# Altium PCB верхняя плата версия 6(с моделями).PcbDoc (part 1 of 2)
Units mm, origin at the board's own origin, x right, y up, seen from the top; angles counter-clockwise.
Board outline 53 x 45 mm, 4 copper layers (Top Layer, Layer 1, Layer 2, Bottom Layer), stack 1.083 mm thick; 122 components, 141 nets, 822 pads, 331 vias.
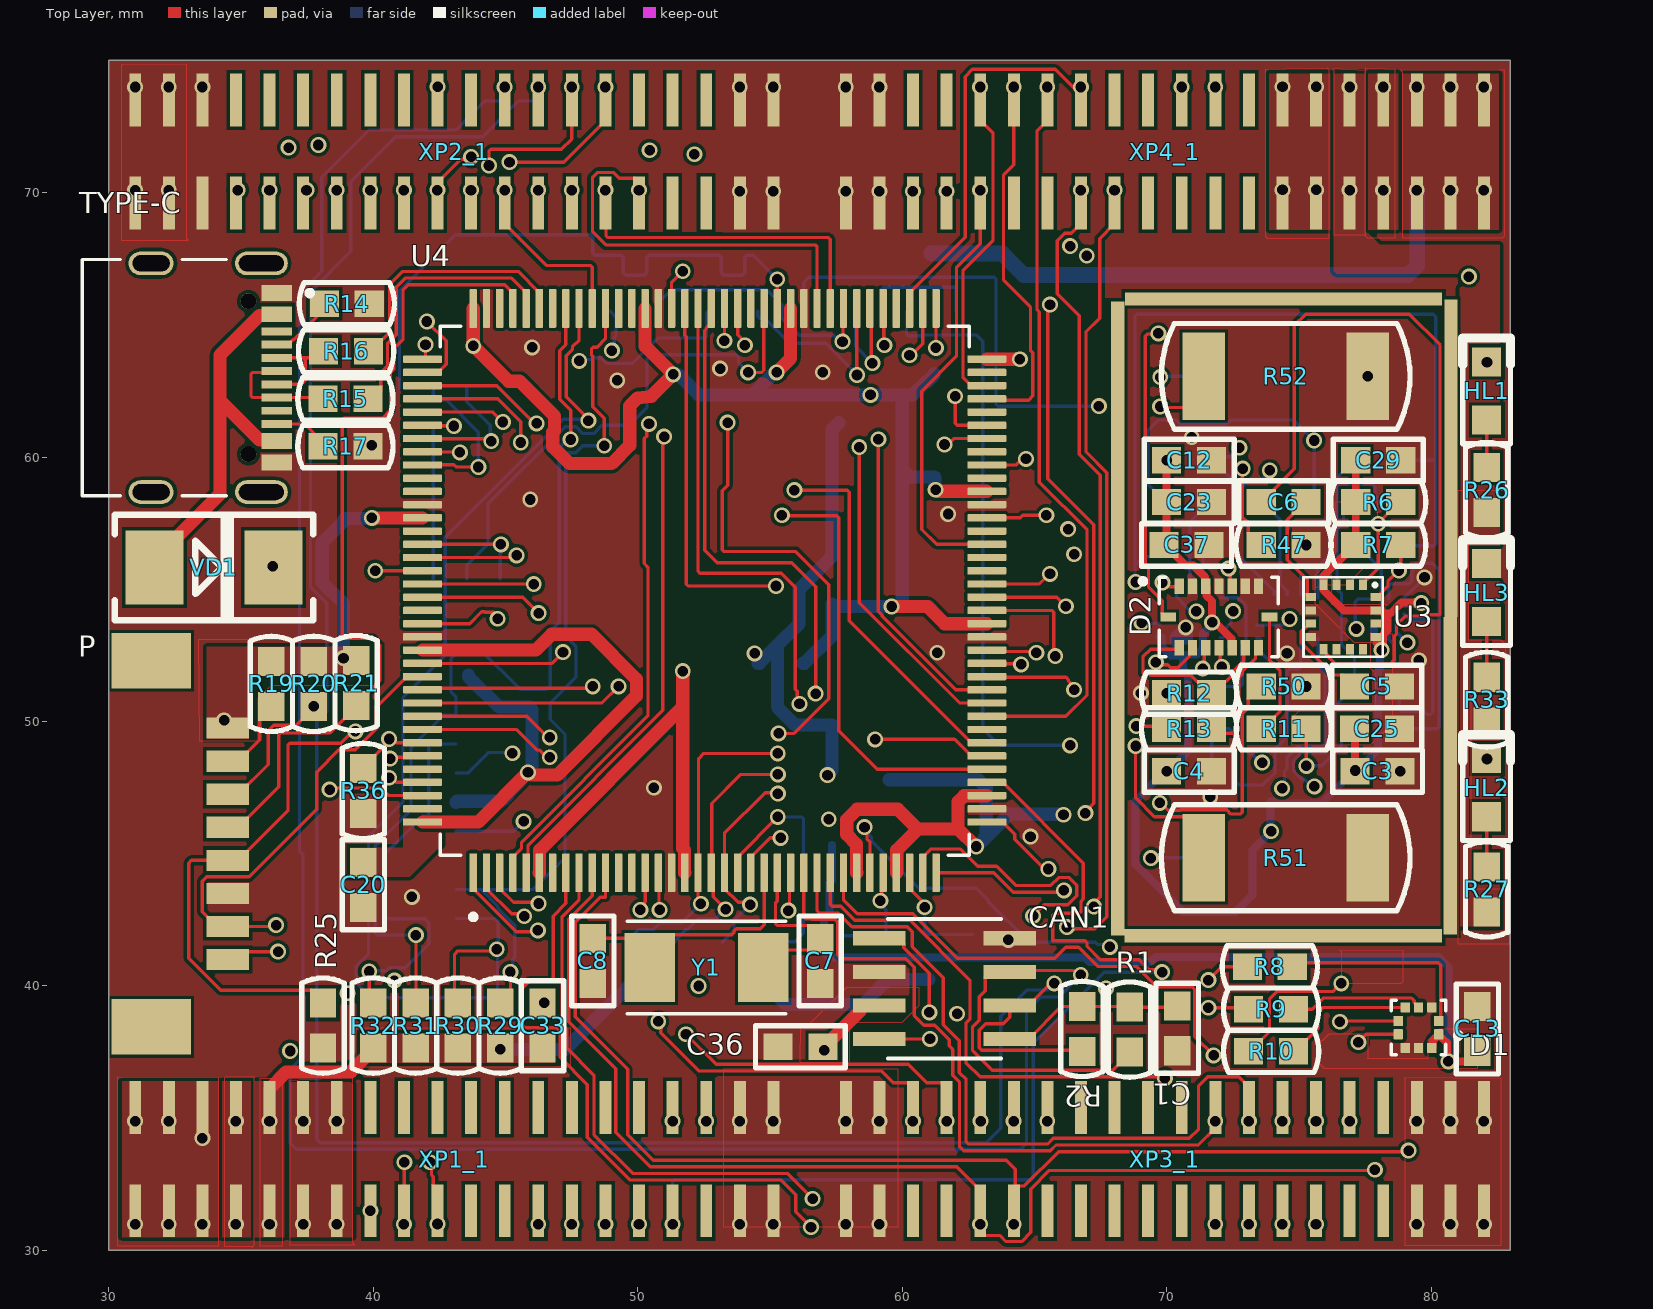
[diagram p0: Top Layer view]
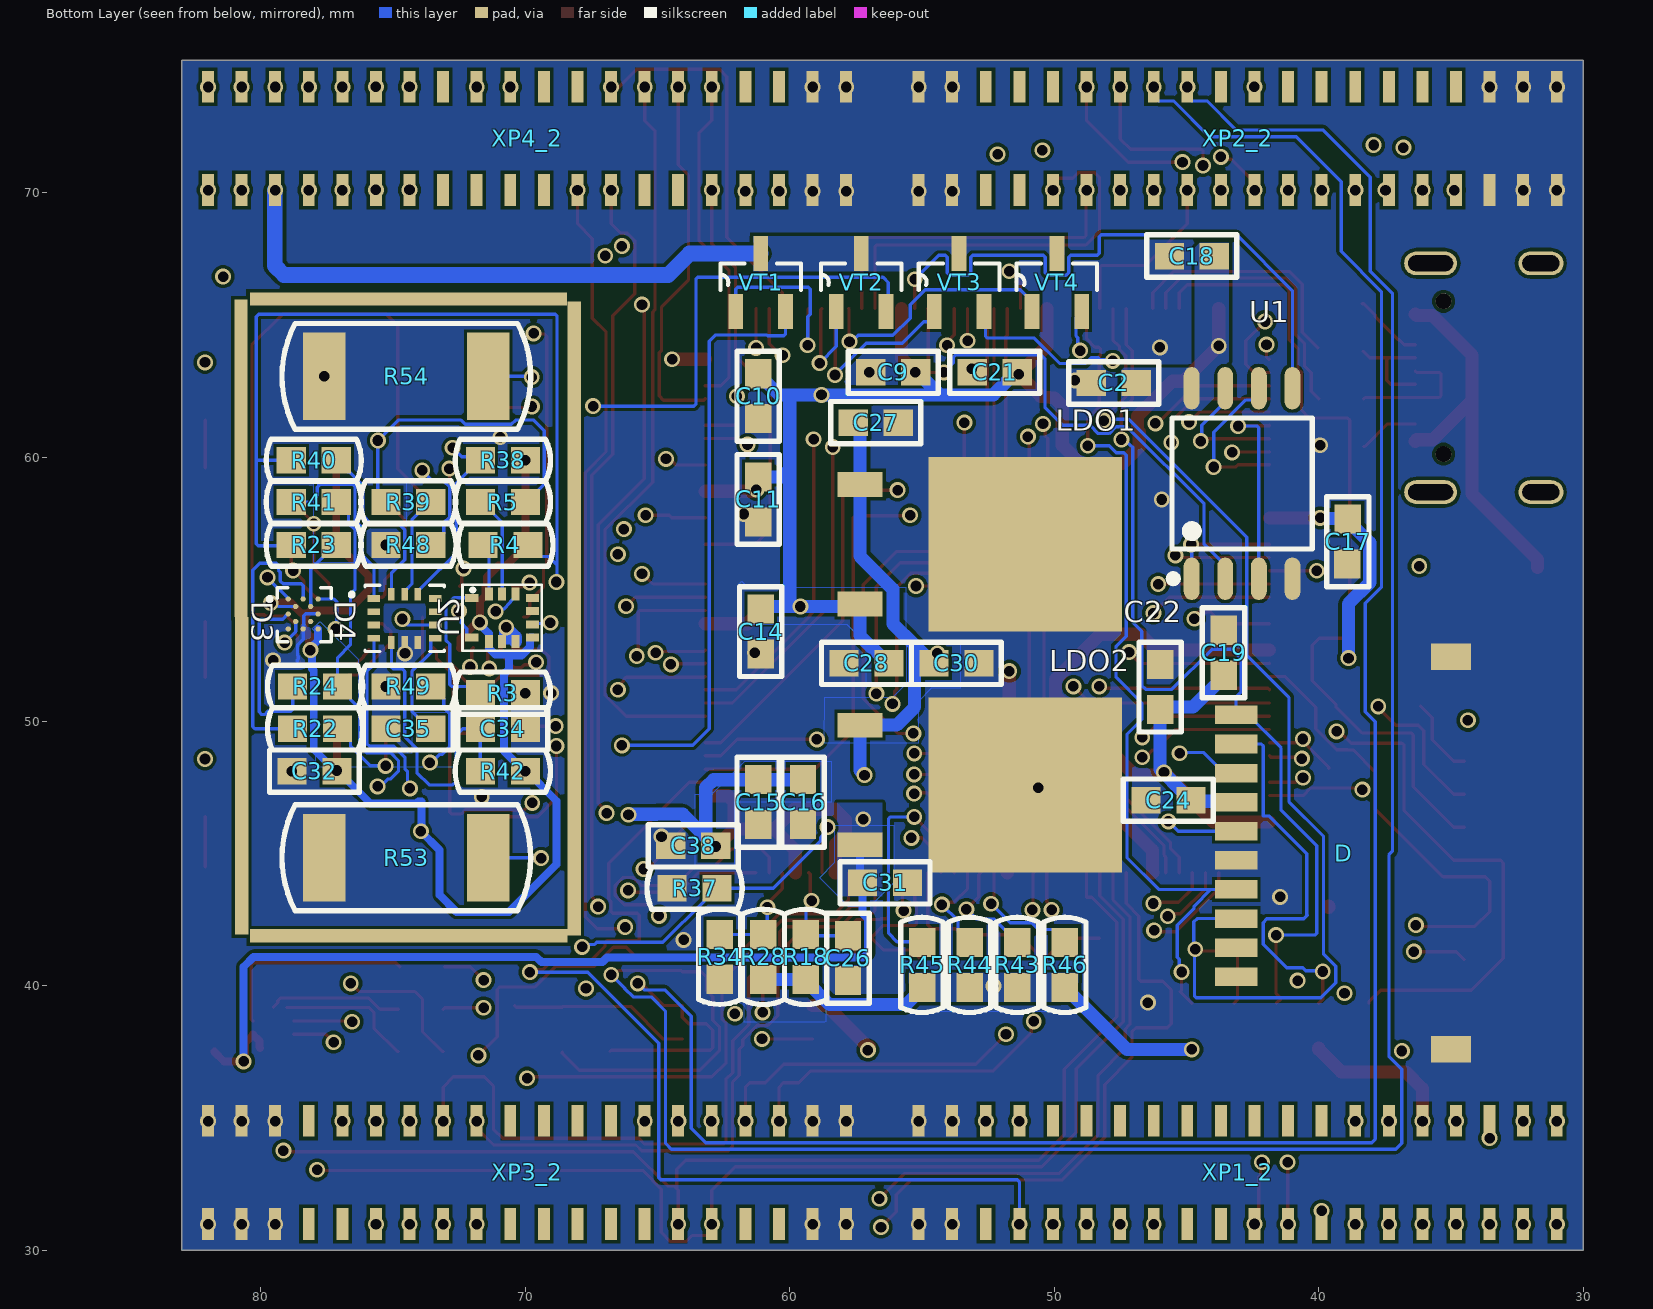
[diagram p1: Bottom Layer view, seen from below]
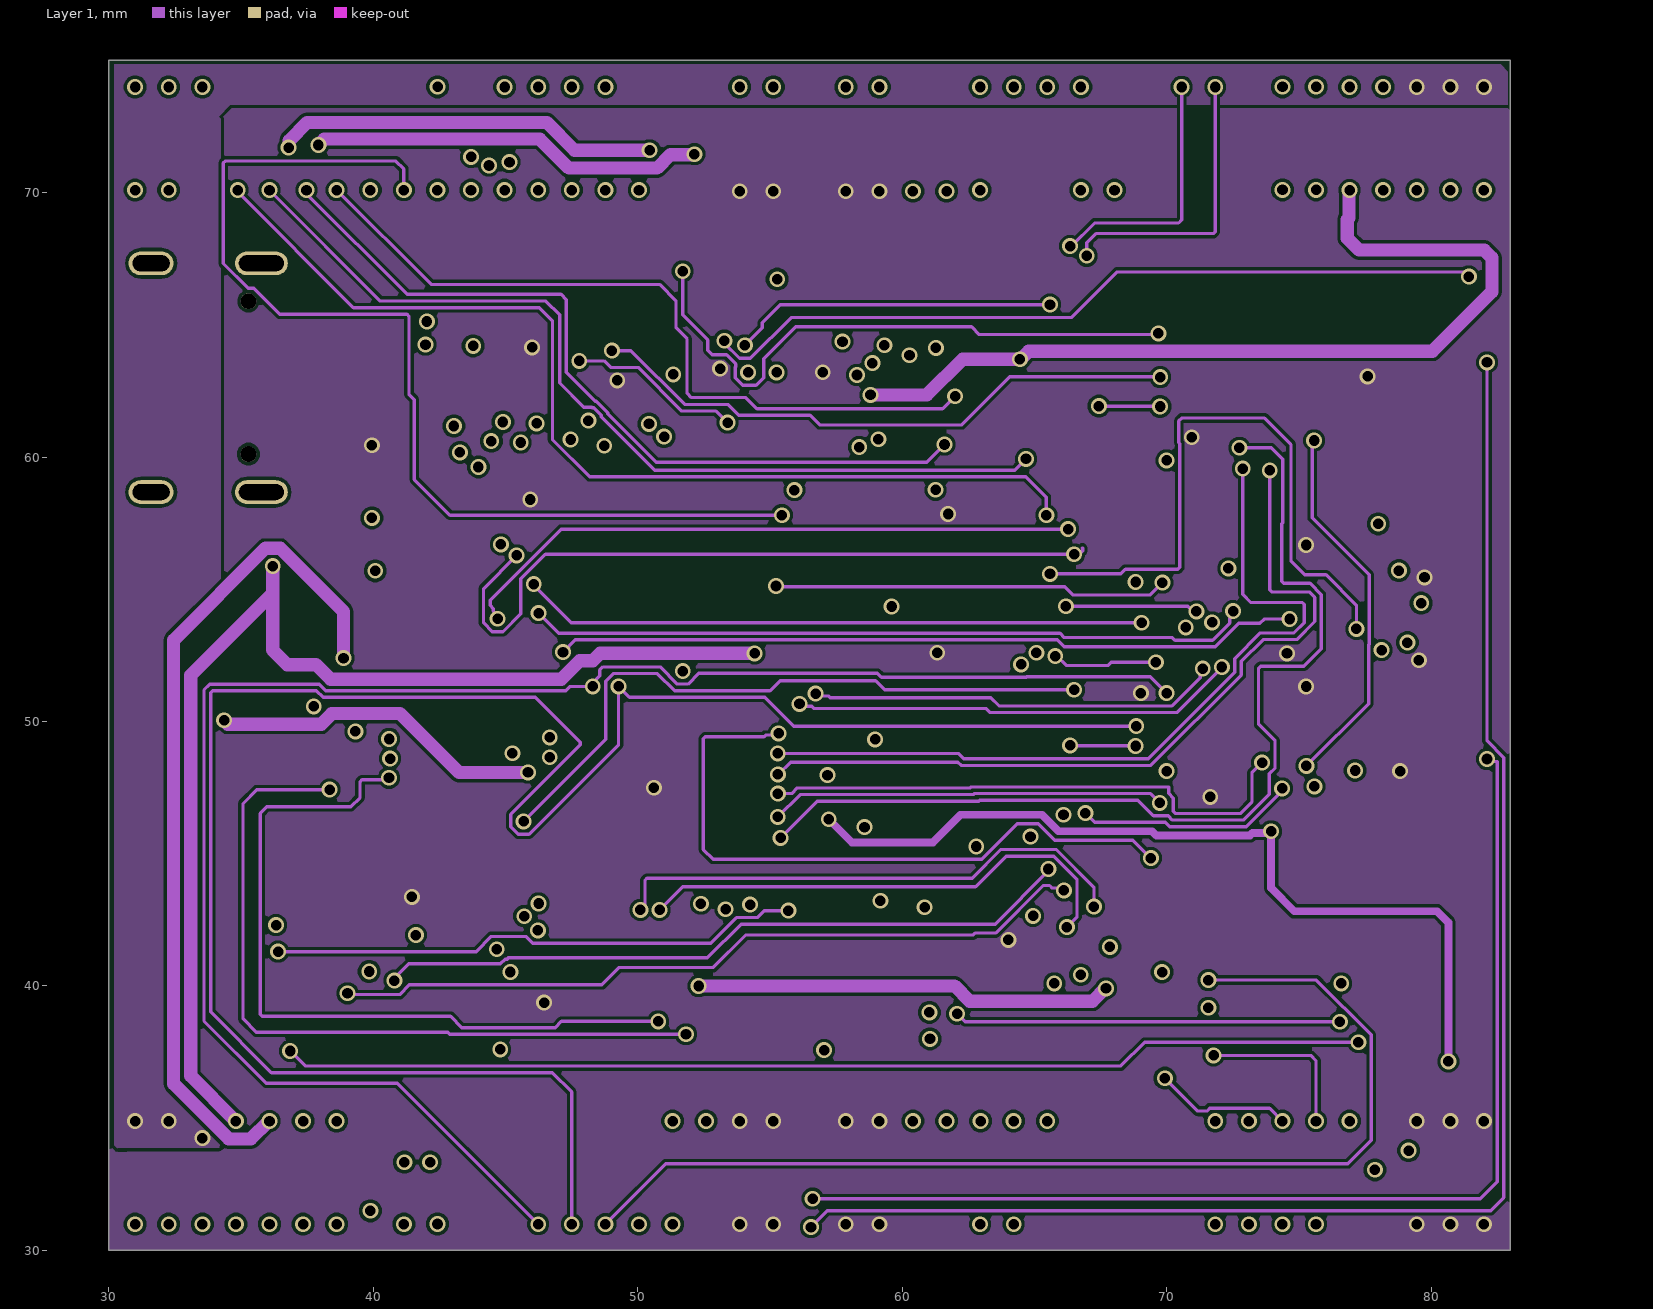
[diagram p2: Layer 1]
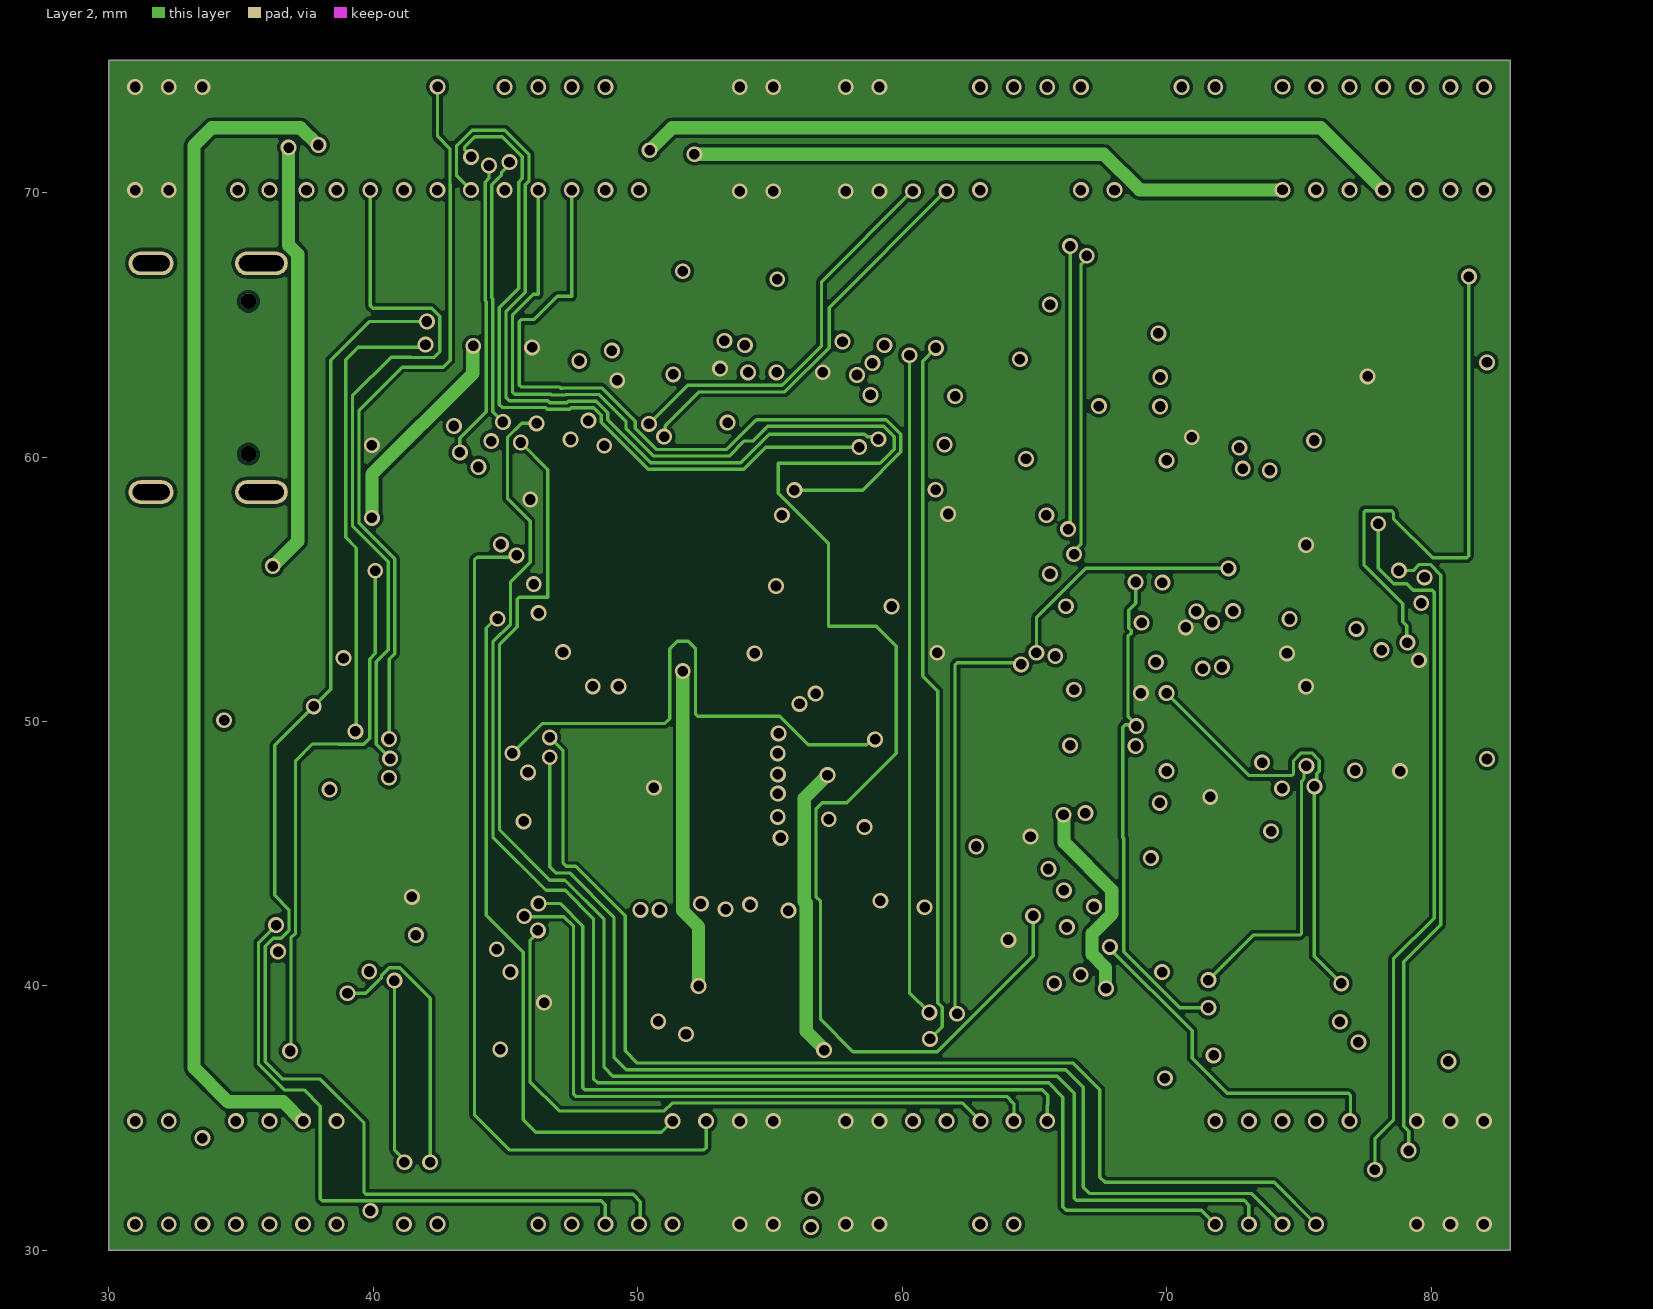
[diagram p3: Layer 2]
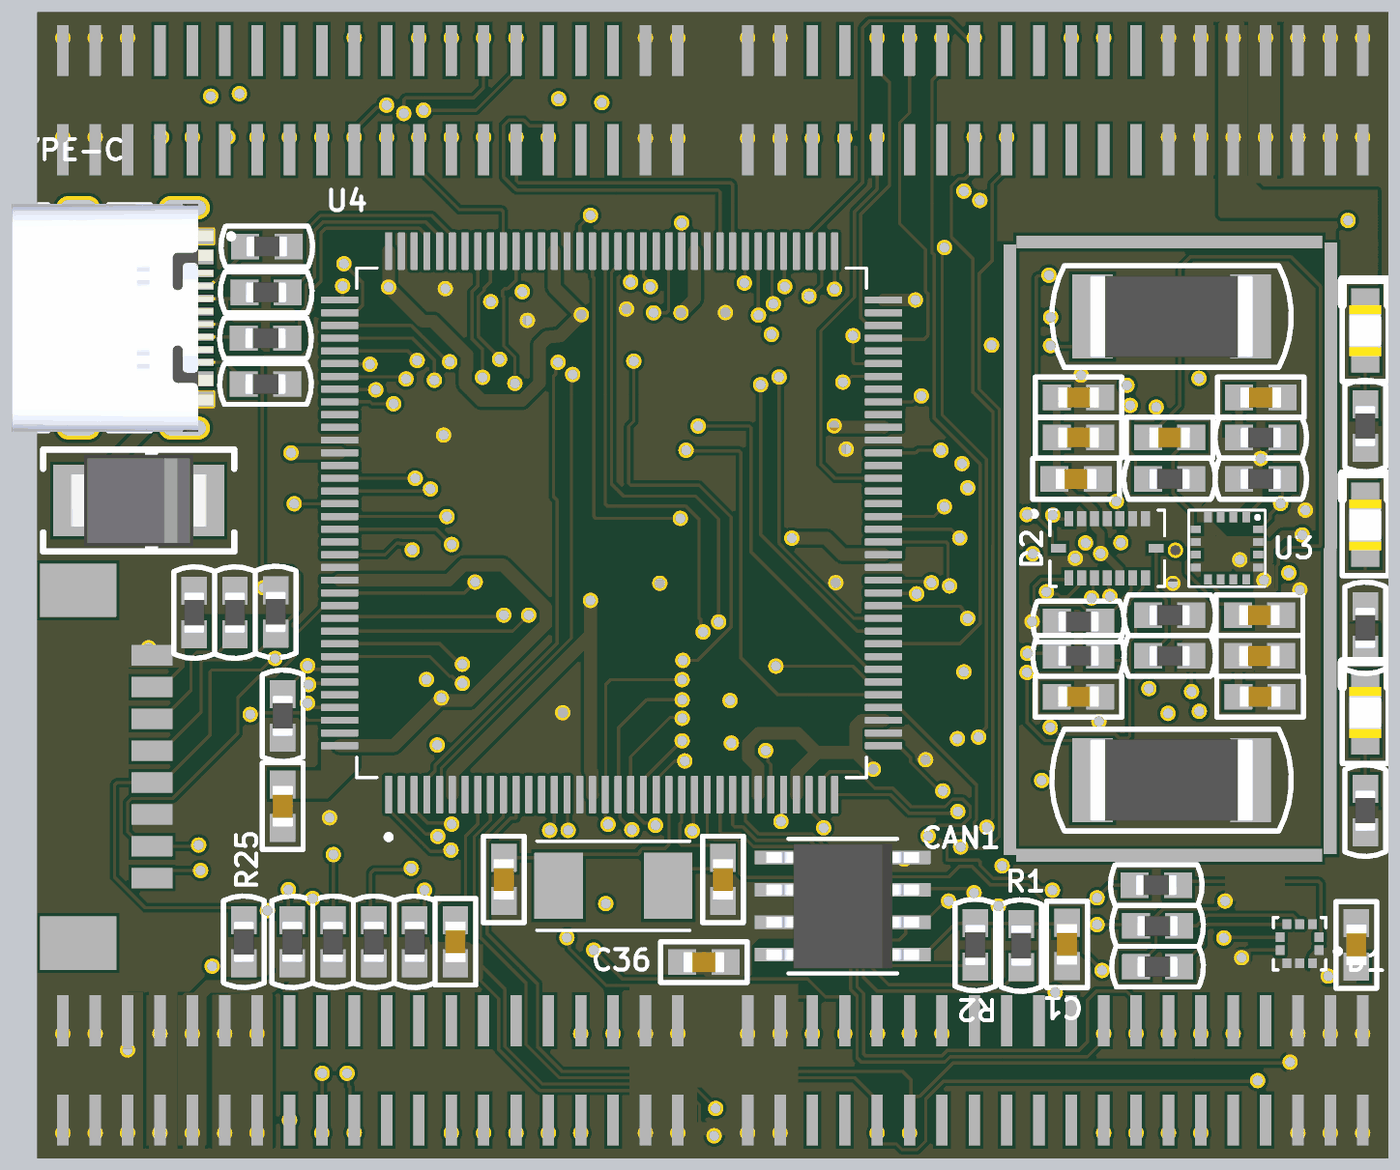
[diagram p5: 3D render of the assembled board from above, using the file's embedded part models]
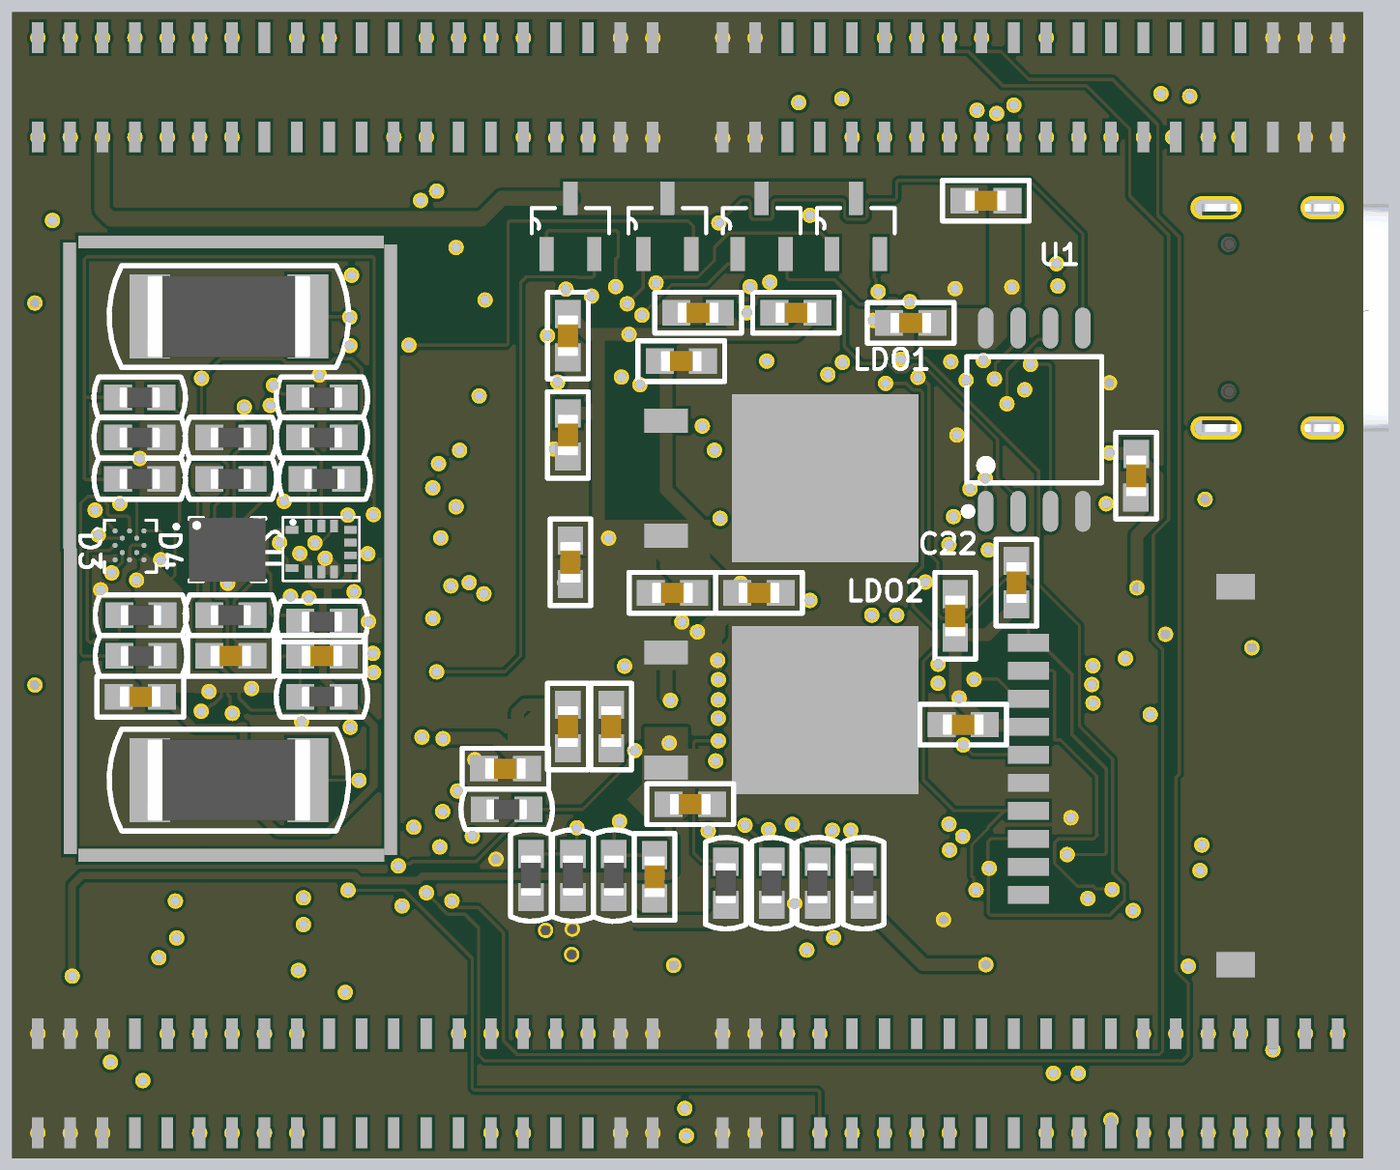
[diagram p6: 3D render of the assembled board from below, using the file's embedded part models]

## Layer stack, top to bottom
Top Solder: solder mask 0.0102, Solder Resist, Dk 3.5
Top Layer: signal copper 0.0356
Dielectric 2: prepreg 0.0711, PP-006, Dk 4.1
Layer 1: signal copper 0.035
Dielectric 1: core 0.8, FR4 Tg135, Dk 4.5
Layer 2: signal copper 0.035
Dielectric 3: prepreg 0.0711, PP-006, Dk 4.1
Bottom Layer: signal copper 0.0356
Bottom Solder: solder mask 0.0102, Solder Resist, Dk 3.5

## Board outline
30,30 83,30 83,75 30,75

## Design rules (kind name [scope] priority, off if disabled: settings)
Clearance [All] p1: gap=0.125 ignorepadtopadclearanceinfootprint=TRUE except(0.1: Arc-SMDPad Track-SMDPad)
ComponentClearance [All] p1: gap=0 collisioncheckmode=3 verticalgap=0 showdistances=FALSE
MinimumSolderMaskSliver [All] p1: minsoldermaskwidth=0
PolygonConnect [All] p1: connectstyle=Direct reliefconductorwidth=0.254 reliefentries=4 polygonreliefangle="90 Angle" airgapwidth=0.254
RoutingVias [All] p1: holewidth=0.4 width=0.6 viastyle="Through Hole" minholewidth=0.4 minwidth=0.6 maxholewidth=0.4 maxwidth=0.6
SolderMaskExpansion [All] p1: expansion=0 istentingtop=FALSE
Width Width_7 [InNet('VCC')] p1: maxlimit=0.6 minlimit=0.6 preferedwidth=0.6 minimp=50.000000 maximp=50.000000 favimp=50.000000
Width Width_6 [InNet('NetTYPE-C_A4_B9')] p2: maxlimit=0.5 minlimit=0.254 preferedwidth=0.5 minimp=50.000000 maximp=50.000000 favimp=50.000000
Width Width_5 [InNet('3V3')] p3: maxlimit=0.5 minlimit=0.5 preferedwidth=0.5 minimp=50.000000 maximp=50.000000 favimp=50.000000
Width Width_4 [InNet('GND')] p4: maxlimit=0.5 minlimit=0.125 preferedwidth=0.5 midlayer1_minwidth=0.5 midlayer2_minwidth=0.5 minimp=50.000000 maximp=50.000000 favimp=50.000000
Width Width_3 [InNet('5V')] p5: maxlimit=0.5 minlimit=0.5 preferedwidth=0.5 minimp=50.000000 maximp=50.000000 favimp=50.000000
Width Width_2 [InNet('4V2')] p6: maxlimit=0.5 minlimit=0.5 preferedwidth=0.5 minimp=50.000000 maximp=50.000000 favimp=50.000000
Width Width_1 [InNet('3V3_SEN')] p7: maxlimit=0.3 minlimit=0.125 preferedwidth=0.3 midlayer1_minwidth=0.3 midlayer2_minwidth=0.3 minimp=50.000000 maximp=50.000000 favimp=50.000000
Width [All] p8: maxlimit=1 minlimit=0.125 preferedwidth=0.125 minimp=50.000000 maximp=50.000000 favimp=50.000000
28 further rules are at their usual default settings.

## Components (designator, comment, footprint, x,y, rotation, side; value= is the part's Value field where it differs from the comment)
C1 "47 nF" C0603#1 70.4,38.4 r90 top
C2 "100 nF" C0603#1 47.75,62.8 r180 bottom
C3 "100 nF" C0603#1 77.975,48.125 r180 top
C4 "100 nF" C0603#1 70.85,48.125 r180 top
C5 "4.7 uF" C0603#1 77.95,51.325 r180 top
C6 "0.22 uF" C0603#1 74.425,58.3 r180 top
C7 "22 pF" C0603#1 56.9,40.95 r90 top
C8 "22 pF" C0603#1 48.3,40.95 r90 top
C9 "100 nF" C0603#1 56.088,63.2 r180 bottom
C10 "100 nF" C0603#1 61.2,62.3 r90 bottom
C11 "100 nF" C0603#1 61.2,58.4 r90 bottom
C12 "100 nF" C0603#1 70.85,59.875 r180 top
C13 "100 nF" C0603#1 81.75,38.375 r270 top
C14 "100 nF" C0603#1 61.1,53.4 r90 bottom
C15 "100 nF" C0603#1 61.2,46.95 r90 bottom
C16 "100 nF" C0603#1 59.5,46.95 r90 bottom
C17 "100 nF" C0603#2 38.9,56.8 r90 bottom
C18 "100 nF" C0603#1 44.8,67.6 r180 bottom
C19 "100 nF" C0603#1 43.6,52.6 r270 bottom
C20 "100 nF" C0603#1 39.625,43.825 r90 top
C21 "100 nF" C0603#1 52.25,63.2 r180 bottom
C22 "100 nF" C0603#1 46,51.3 r270 bottom
C23 "100 nF" C0603#1 70.85,58.3 r180 top
C24 "100 nF" C0603#1 45.688,47.027 r180 bottom
C25 "100 nF" C0603#1 77.95,49.725 r180 top
C26 "100 nF" C0603#1 57.8,41.05 r90 bottom
C27 "0.1 uF" C0603#1 56.75,61.3 r0 bottom
C28 "10 uF" C0603#1 57.1,52.2 r180 bottom
C29 "100 nF" C0603#1 78,59.875 r180 top
C30 "0.1 uF" C0603#1 53.7,52.2 r0 bottom
C31 "10 uF" C0603#1 56.4,43.9 r0 bottom
C32 "100 nF" C0603#1 77.975,48.125 r180 bottom
C33 "0.1 uF" C0603#1 46.4,38.5 r270 top
C34 "100 nF" C0603#1 70.85,49.725 r0 bottom
C35 "100 nF" C0603#1 74.425,49.725 r180 bottom
C36 "100 nF" C0603#1 56.15,37.7 r180 top
C37 "100 nF" C0603#1 70.75,56.675 r180 top
C38 "100 nF" C0603#1 63.65,45.3 r180 bottom
CAN1 "TJA1040T" SO-8_S 61.6,39.9 r0 top
D "D" GTFP08131Y2HR 35.8,45.4 r270 bottom locked
D1 "BMP388" PQFN50P200X200X80-10N 79.525,38.425 r180 top
D2 "BMI088" PQFN50P450X300X100-16N 71.975,53.95 r0 top
D3 "BMM150" XDCR_BMM150 78.365,54.031 r180 bottom
D4 "BMI270" XDCR_BMI270 74.563,53.9 r180 bottom
HL1 "" LD0805 82.1,62.5 r90 top
HL2 "" LD0805 82.1,47.5 r90 top
HL3 "" LD0805 82.1,54.875 r90 top
LDO1 "КФ1158Н" TO228P972X240-3N 51.252,56.7 r270 bottom
LDO2 "КФ1158Н" TO228P972X240-3N 51.252,47.6 r270 bottom
P "Header 1x8" "PicoBlade 8pin" 34.5,45.385 r270 top
R1 "60Om" R0603 68.6,38.35 r90 top
R2 "60 Om" R0603 66.8,38.375 r90 top
R3 "0" R0603 70.85,51.075 r180 bottom
R4 "0" R0603 70.75,56.675 r180 bottom
R5 "0" R0603 70.85,58.3 r180 bottom
R6 "2.2k" R0603 78,58.3 r180 top
R7 "2.2k" R0603 78,56.675 r180 top
R8 "0" R0603 73.9,40.725 r0 top
R9 "0" R0603 73.95,39.125 r0 top
R10 "0" R0603 73.95,37.525 r0 top
R11 "0" R0603 74.425,49.725 r180 top
R12 "0" R0603 70.85,51.075 r180 top
R13 "0" R0603 70.85,49.725 r0 top
R14 "5,1 кОм" R0603 39,65.8 r180 top
R15 "68" R0603 38.95,62.2 r0 top
R16 "68" R0603 38.975,64 r0 top
R17 "5,1 кОм" R0603 38.95,60.4 r0 top
R18 "47 Ом" R0603 59.4,41.1 r90 bottom
R19 "47 кОм" R0603 36.15,51.425 r90 top
R20 "47 кОм" R0603 37.75,51.425 r90 top
R21 "47 кОм" R0603 39.35,51.45 r90 top
R22 "0" R0603 77.95,49.725 r0 bottom
R23 "0" R0603 78,56.675 r180 bottom
R24 "0" R0603 77.95,51.325 r180 bottom
R25 "47 кОм" R0603 38.1,38.5 r270 top
R26 "220" R0603 82.1,58.75 r270 top
R27 "220" R0603 82.1,43.65 r270 top
R28 "0" R0603 61,41.1 r270 bottom
R29 "47 кОм" R0603 44.8,38.5 r90 top
R30 "47 кОм" R0603 43.2,38.5 r90 top
R31 "47 кОм" R0603 41.6,38.5 r90 top
R32 "47 кОм" R0603 40,38.5 r90 top
R33 "220" R0603 82.1,50.825 r270 top
R34 "0" R0603 62.65,41.103 r90 bottom
R36 "10 kOm" R0603 39.625,47.375 r270 top
R37 "0" R0603 63.6,43.7 r0 bottom
R38 "10 кОм" R0603 70.85,59.875 r180 bottom
R39 "0" R0603 74.425,58.3 r180 bottom
R40 "0" R0603 78,59.875 r180 bottom
R41 "0" R0603 78,58.3 r0 bottom
R42 "0" R0603 70.85,48.125 r180 bottom
R43 "Resistor" R0603 51.4,40.8 r270 bottom
R44 "Resistor" R0603 53.2,40.8 r270 bottom
R45 "Resistor" R0603 55,40.8 r270 bottom
R46 "Resistor" R0603 49.6,40.8 r270 bottom
R47 "Resistor_0,25W" R0603 74.425,56.675 r0 top
R48 "Resistor_0,25W" R0603 74.425,56.675 r0 bottom
R49 "Resistor_0,25W" R0603 74.425,51.325 r0 bottom
R50 "Resistor_0,25W" R0603 74.425,51.325 r0 top
R51 "Resistor_0,25W" R2512 74.5,44.85 r0 top
R52 "Resistor_0,25W" R2512 74.5,63.05 r0 top
R53 "Resistor_0,25W" R2512 74.5,44.85 r0 bottom
R54 "Resistor_0,25W" R2512 74.5,63.05 r0 bottom
TYPE-C "TYPE-C-31-M-12" HRO_TYPE-C-31-M-12 31.6,63 r270 top
U1 "W25Q128FVSIG" SOIC127P790X216-8N 42.9,59 r90 bottom
U2 "QMI8658" QMI8658 70.95,53.875 r0 bottom
U3 "QMC5883L" QMC5883L 76.675,54.025 r0 top
U4 "K1921BK01T2" QFP50P2200X2200X160-144N 52.53,54.95 r90 top
VD1 "" DO-214AA 33.975,55.825 r0 top
VT1 "MOSFET-N" SOT95P240X112-3N 61.1,66.6 r90 bottom
VT2 "MOSFET-N" SOT95P240X112-3N 57.3,66.6 r90 bottom
VT3 "MOSFET-N" SOT95P240X112-3N 53.6,66.6 r90 bottom
VT4 "MOSFET-N" SOT95P240X112-3N 49.9,66.6 r90 bottom
XP1_1 "PLLD-1.27-40S" "Headr 2x20 male" 42.851,33.447 r90 top locked
XP1_2 "PLLD-1.27-40S" "Headr 2x20 Female" 41.962,32.82 r90 bottom locked
XP2_1 "PLLD-1.27-40S" "Headr 2x20 male" 42.851,71.547 r90 top
XP2_2 "PLLD-1.27-40S" "Headr 2x20 Female" 41.962,71.92 r90 bottom
XP3_1 "PLLD-1.27-40S" "Headr 2x20 male" 69.721,33.447 r90 top locked
XP3_2 "PLLD-1.27-40S" "Headr 2x20 Female" 68.832,32.82 r90 bottom locked
XP4_1 "PLLD-1.27-40S" "Headr 2x20 male" 69.721,71.547 r90 top
XP4_2 "PLLD-1.27-40S" "Headr 2x20 Female" 68.832,71.92 r90 bottom
Y1 "8 мгц" XTAL_ABM7-8.000MHZ-8-R80-D2Y-T 52.6,40.7 r0 top
